# Altium PCB TIDA-010056.PcbDoc (part 2 of 3)
Units mm, origin at the board's own origin, x right, y up, seen from the top; angles counter-clockwise.
Board outline 69 x 70 mm, 4 copper layers (Top Layer, GND, PWR, Bottom Layer), stack 1.605 mm thick; 152 components, 93 nets, 418 pads, 601 vias.
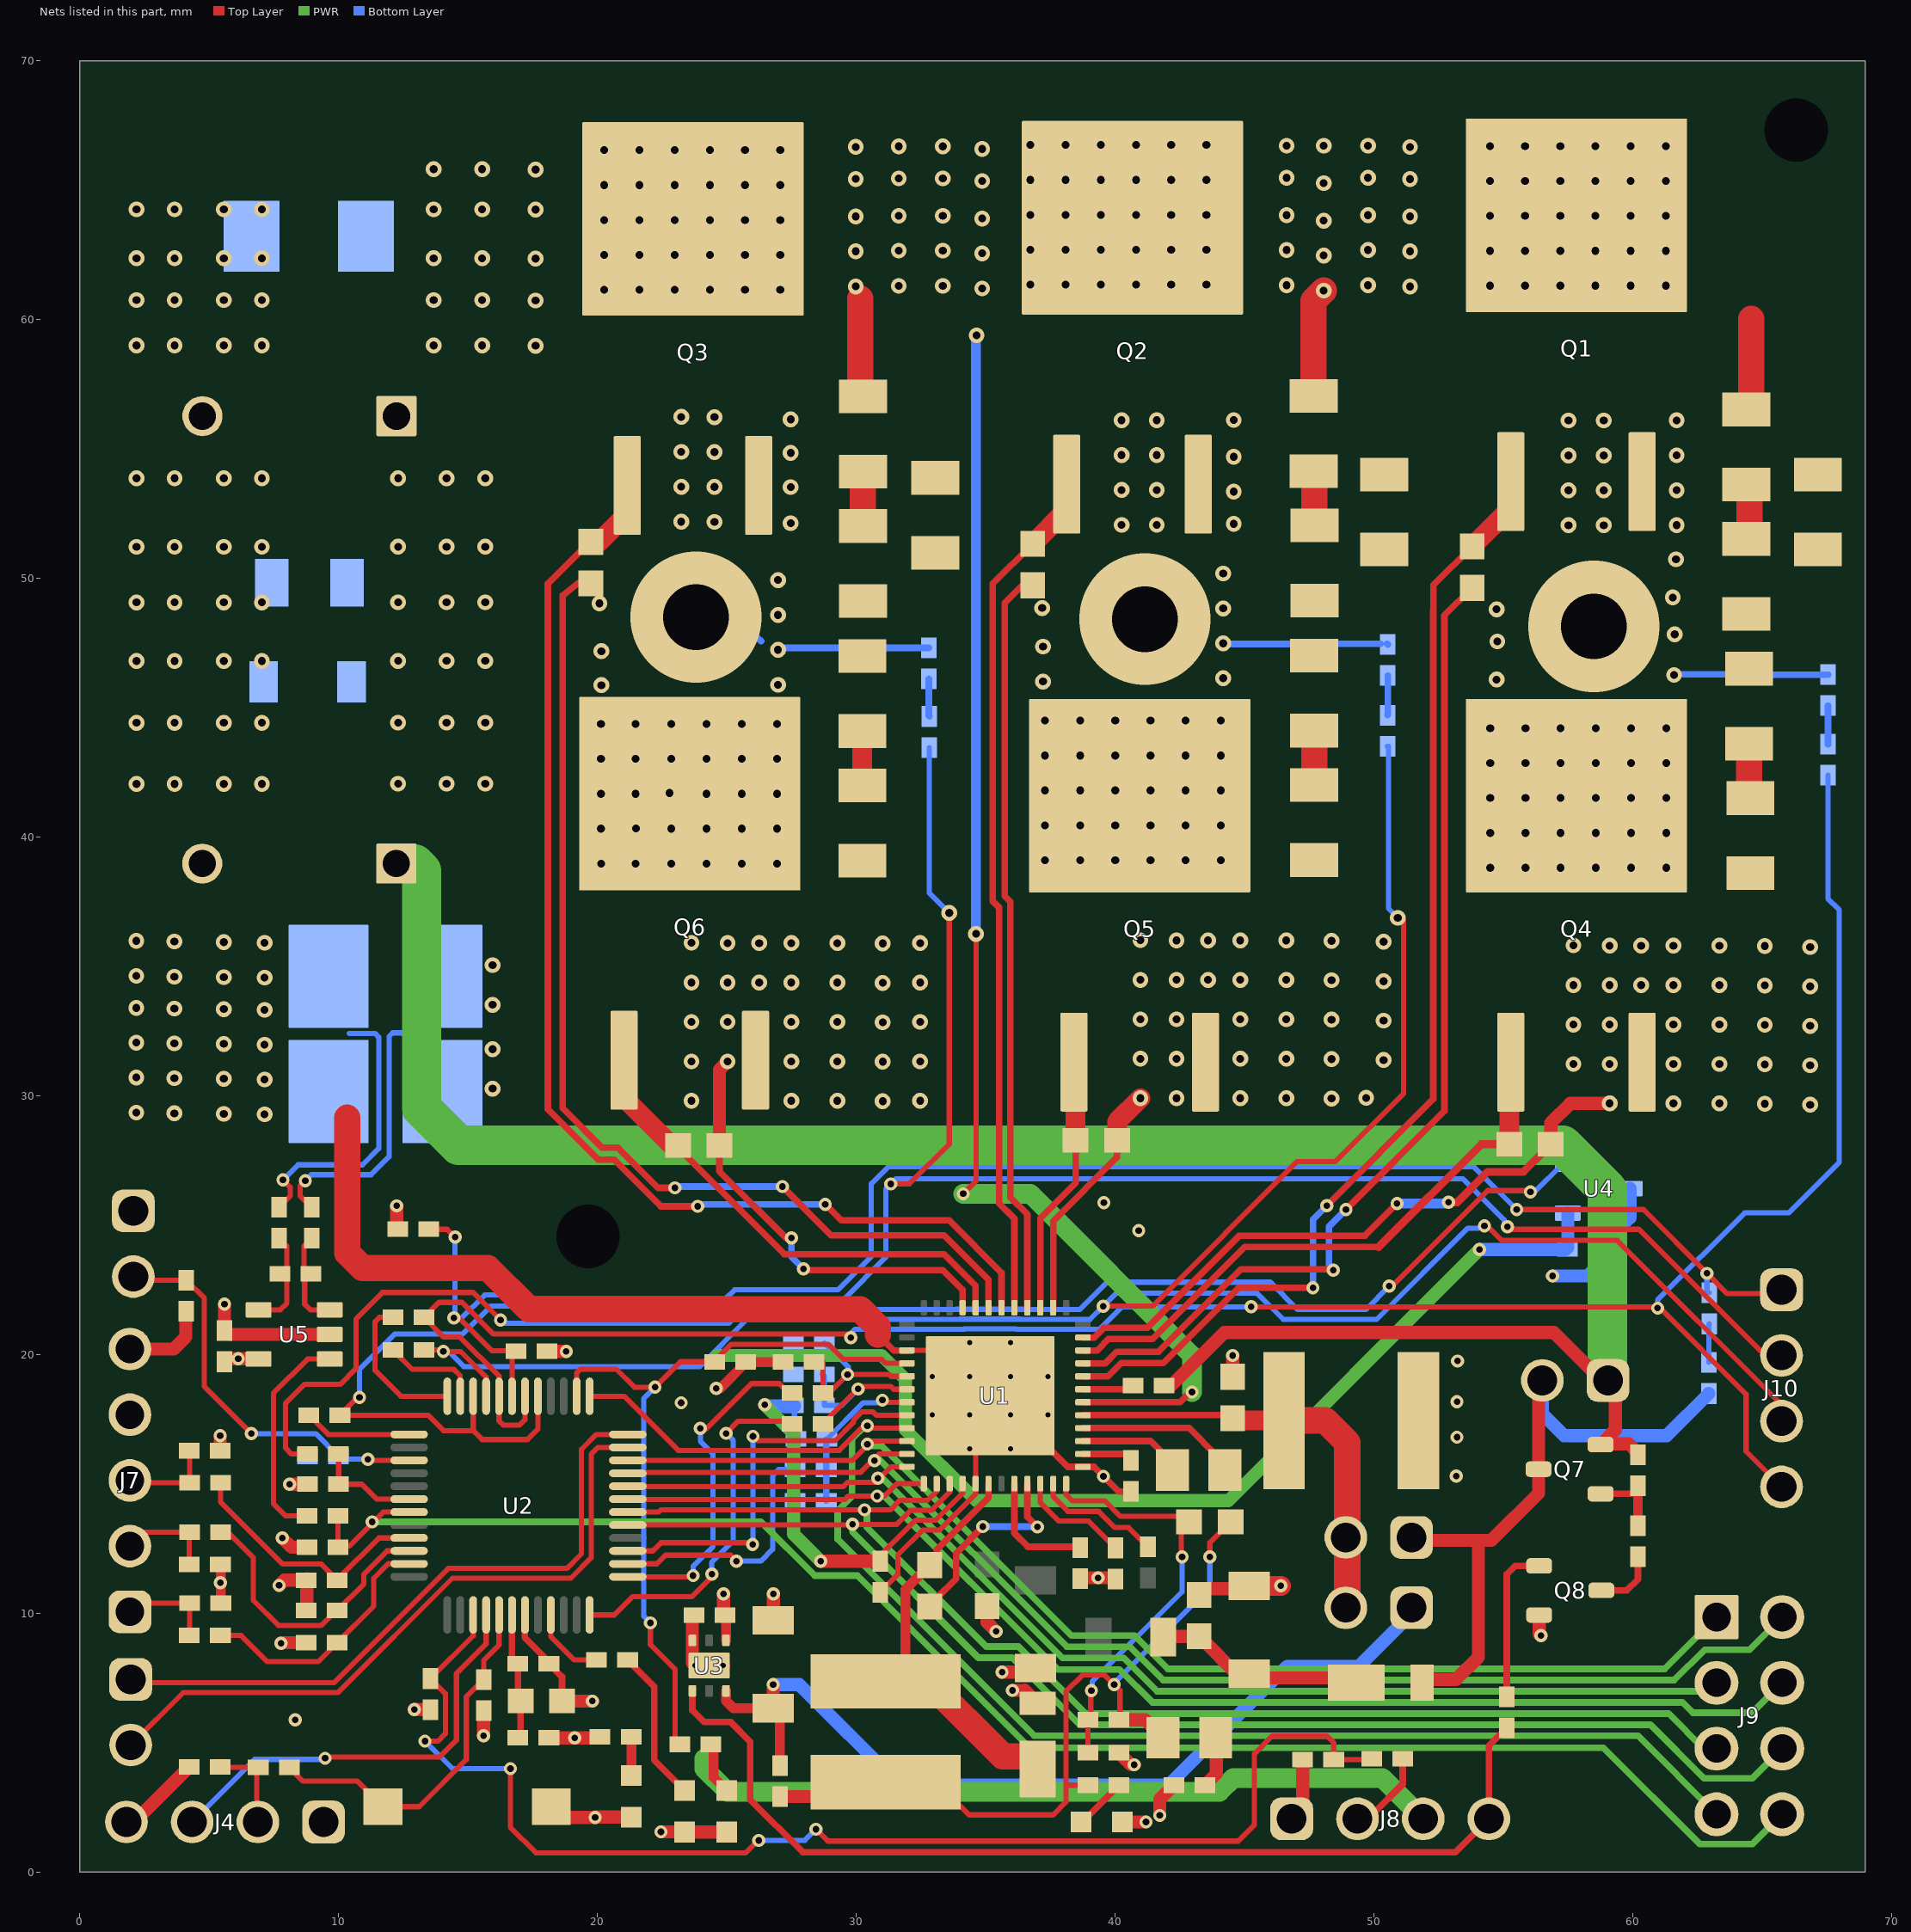
[diagram p4: the nets of this part, all layers, seen from the top]

## Part data (continued)
S1: library part CMP-0002196-1, "Switch, Tactile, SPST, 12 V, SMD", CurrentRating_mA=50A, Manufacturer="Wurth Elektronik", Supplier Part Number 1=31T8978, Circuit=SPST, ComponentLink1Description="Datasheet URL", ComponentLink1URL=http://katalog.we-online.de/em/datasheet/434121025816.pdf, CompType=Switch, LatestRevisionDate=2017-03-09, MountType=SMT, Orientation="Top Actuated", PackageReference="SMD, 6x3.9mm", PartNumber=434121025816, PositionCount=1, Publisher="Texas Instruments", RoHS=Y, Supplier 1=Newark, Supplier 2=Farnell, Supplier Part Number 2=1867991, SwitchFunction=Off-On, VDC_V=12V
U1: library part CMP-0013784-3, "100-V Three-Phase Smart Gate Driver With Buck Regulator, RGZ0048L (VQFN-48)", Alternate Manufacturer="Texas Instruments", Alternate PartNumber=DRV8350RHRGZT, Operating Temperature Range="-40 to 125 C", Rating=Catalog, AEC Category=Q200, AEC Qualified=N, ComponentLink1Description="Datasheet Link", ComponentLink1URL=http://www.ti.com/lit/ds/symlink/drv8350r.pdf, ComponentLink2Description="Product Folder", ComponentLink2URL=http://www.ti.com/product/drv8350r, ComponentLink3Description="Online Datasheet", ComponentLink3URL=http://www.ti.com/product/drv8350r/datasheet, CompType=IC, Manufacturer="Texas Instruments", MountType=SMT, PackageDescription=VQFN-48, PackageReference=RGZ0048L, PartNumber=DRV8350RHRGZR, RoHS=Y, SizeArea_mm2=49, SizeAreaWB_mm2=81, SizeX_mm=7, SizeY_mm=7, SizeZ_mm=1
U2: library part CMP-0013603-2, "Mixed-Signal Microcontroller, PT0048A (LQFP-48)", Alternate Manufacturer="Texas Instruments", ComponentLink1Description="Datasheet Link", ComponentLink1URL=https://sps06.itg.ti.com/sites/KMS/crossdivteams/altium/docs/ComponentDatasheets/SLASEC4_MSP430FR2355.int.1.0.pdf, CompType=IC, LatestRevisionDate=2017-03-09, Manufacturer="Texas Instruments", MountType=SMT, PackageDescription=LQFP-48, PackageReference=PT0048A, PartNumber=MSP430FR2355TPTR, Publisher="Texas Instruments", SizeArea_mm2=81, SizeAreaWB_mm2=121, SizeX_mm=9, SizeY_mm=9, SizeZ_mm=1.6, U/M=EA
U3: library part CMP-0066782-1, "150-mA, 30-V, Ultra-Low IQ, Wide Input Low-Dropout Regulator with Reverse Current Protection, DRV0006A (WSON-6)", Alternate Manufacturer="Texas Instruments", Alternate PartNumber=TPS70933DRVT, ComponentLink1Description="Datasheet Link", ComponentLink1URL=http://www.ti.com/lit/ds/symlink/tps709.pdf, CompType=IC, Footprint Path 6=C:\AltiumLibraries\Footprints\TI\.PcbLib, Green_EU RoHS=Passed, Green_EU RoHS-2=Passed, Green_Lifecycle=Active, Green_REACh=Passed, LatestRevisionDate=2017-06-09, Manufacturer="Texas Instruments", MountType=SMT, PackageDescription=WSON-6, PackageReference=DRV0006A, PartNumber=TPS70933DRVR, Publisher="Texas Instruments", RoHS=Y, SizeArea_mm2=4.0, SizeAreaWB_mm2=9.0, SizeX_mm=2.0, SizeY_mm=2.0, SizeZ_mm=0.8, U/M=EA
U4: library part CMP-0013240-1, "TMP235A4DBZR, DBZ0003A (SOP-3)", Alternate Manufacturer="Texas Instruments", ComponentLink1Description="Datasheet Link", ComponentLink1URL="https://sps06.itg.ti.com/sites/KMS/crossdivteams/altium/docs/ComponentDatasheets/TMP235DBZ MECH DRAWING.docx", CompType=IC, Footprint Path 6=C:\AltiumLibraries\Footprints\TI\.PcbLib, LatestRevisionDate=2017-03-09, Manufacturer="Texas Instruments", MountType=SMT, PackageDescription=SOP-3, PackageReference=DBZ0003A, PartNumber=TMP235A4DBZR, Publisher="Texas Instruments", SizeArea_mm2=7.5, SizeAreaWB_mm2=14, SizeX_mm=2.5, SizeY_mm=3, SizeZ_mm=1.12, U/M=EA
U5: library part CMP-0013061-1, "Low- and High-Side Measurement, Multichannel, Voltage Output, Current-Sense Amplifier, DBV0005A (SOT-5)", Alternate Manufacturer="Texas Instruments", PartNumber=INA180A3IDBVR, ComponentLink1Description="Datasheet Link", ComponentLink1URL=https://sps06.itg.ti.com/sites/KMS/crossdivteams/altium/docs/ComponentDatasheets/INA180.pdf, CompType=IC, Footprint Path 6=C:\AltiumLibraries\Footprints\TI\.PcbLib, LatestRevisionDate=2017-03-09, Manufacturer="Texas Instruments", MountType=SMT, PackageDescription=SOT-5, PackageReference=DBV0005A, Publisher="Texas Instruments", SizeArea_mm2=8.12, SizeAreaWB_mm2=14.82, SizeX_mm=2.8, SizeY_mm=2.9, SizeZ_mm=1.45, U/M=EA
ZZ1: library part AssemblyNoteLabel, Alternate Manufacturer=-, Alternate PartNumber=-, ClassName=AssemblyNote, CompType=AssemblyNote, LatestRevisionDate=2012-07-31, LatestRevisionNote="Initial Version", Publisher="Texas Instruments", SymbolCreator=a0412235, SymbolVersion=2012-06-14
ZZ2 ZZ3 ZZ4: library part AssemblyNote, Alternate Manufacturer=-, Alternate PartNumber=-, ClassName=AssemblyNote, CompType=AssemblyNote, LatestRevisionDate=2012-06-14, LatestRevisionNote="Initial Version", Publisher="Texas Instruments", SymbolCreator=codlsc, SymbolVersion=2010-05-18

## Via types
v1: diameter 0.61, hole 0.305, Top Layer to Bottom Layer, 476 vias
v2: diameter 0.508, hole 0.254, Top Layer to Bottom Layer, tented both sides, 108 vias
v3: diameter 0.5, hole 0.2, Top Layer to Bottom Layer, 14 vias
v4: diameter 5.08, hole 2.54, Top Layer to Bottom Layer, 3 vias

## Nets (pads, with @x,y where several pads share a name; then routed paths per layer and width w, separated by ;. In a path a pad name is that pad's centre, name@x,y a point inside that pad or via, vN(x,y) a via of type N, cw(c..) or ccw(c..) an arc to the next point about the centre after c; other vN are vias at no path point)
3.3V: C19.2 C37.1 C45.1 D5.2 D6.2 J4.4 J7.5 J8.3 R7.2 R50.1 R51.2 R53.2 R54.2 R55.2 R56.2 R59.2 R66.2 U3.1 U4.1 U5.5 | length 89.9
  Top Layer w0.203: U5.5@6.895,19.837 U5.5@6.905,19.827
  Top Layer w0.381: R56.2@5.446,10.384 R55.2@5.446,11.603 ; D6.2@23.368,1.549 D6.2@23.375,1.542 ; v2(24.587,18.694) 24.748,18.694 R66.2@25.764,19.71 ; U3.1@24.969,8.949 C37.1@24.969,9.651 ; R66.2@25.734,19.71 R66.2@25.764,19.71 ; R7.2@27.175,19.72 27.165,19.71 R66.2@25.764,19.71
  Top Layer w0.508: J4.4@1.799,1.93 2.092,1.93 R51.2@4.226,4.064 ; J7.5@1.934,20.214 3.627,20.214 4.089,20.676 R53.2@4.089,21.625 ; R54.2@5.42,16.281 v2(5.42,16.86) ; C19.2@5.563,19.837 U5.5@6.895,19.837 ; R50.1@18.126,5.188 18.132,5.182 v2(19.126,5.182) 20.059,5.182 R59.2@20.101,5.224 ; v2(22.454,1.549) D6.2@23.368,1.549 ; D6.2@23.375,1.542 D5.2@25.001,1.542 ; C37.1@24.869,10.007 v2(24.869,10.748)
  PWR w0.508: 24.613,19.964 30.988,19.964 31.902,19.05 31.902,17.094 34.646,14.351 44.382,14.351 v2(54.085,24.054)
  PWR w0.762: 24.13,4.381 24.13,3.997 25.028,3.099 44.044,3.099 44.577,3.632 50.332,3.632 J8.3@51.911,2.053
  Bottom Layer w0.508: v2(54.085,24.054) 57.362,24.054 57.387,24.079 57.41,24.056 57.499,24.146 U4.1@57.499,25.466
  other v2: 5.43,11.181 6.121,19.837
15V: C38.1 J2.1 R28.2 U3.6 | length 34.8
  Top Layer w0.381: U3.6@24.969,6.999 24.969,6.612 25.255,6.326 C38.1@26.797,6.326 27.051,6.072 R28.2@27.051,4.114
  Top Layer w0.508: v2(26.792,7.239) 26.792,6.331 C38.1@26.797,6.326
  Bottom Layer w0.508: v2(26.792,7.239) 27.806,7.239 31.692,3.353 42.06,3.353 46.657,7.95 49.428,7.95 51.46,9.982 J2.1@51.46,10.211
BEMF_A: J10.4 R40.1 R46.2 U2.30 U2.32 | length 90.3
  Top Layer w0.203: U2.30@17.2,18.385 17.2,17.479 16.993,17.272 16.358,17.272 16.2,17.43 U2.32@16.2,18.385 16.2,19.167 14.691,20.676 14.062,20.676 R46.2@13.3,21.437 13.877,22.014 14.762,22.014 15.986,20.789 29.655,20.789 v2(29.794,20.65) ; v2(45.263,21.844) 61.011,21.844 64.389,18.466 64.389,16.256 J10.4@65.761,14.884
  Bottom Layer w0.203: v2(29.794,20.65) 29.794,20.811 29.959,20.977 34.162,20.977 34.172,20.986 36.18,20.986 36.19,20.977 39.417,20.977 40.284,21.844 v2(45.263,21.844) ; v2(60.972,21.793) 60.972,22.11 64.338,25.476 66.04,25.476 67.982,27.418 67.982,37.198 67.555,37.625 R40.1@67.555,42.39
BEMF_AL: R46.1 U2.36 | length 5.9
  Top Layer w0.203: R46.1@12.1,21.437 11.577,21.437 11.405,21.265 11.405,19.387 12.407,18.385 U2.36@14.2,18.385
BEMF_B: J10.3 R41.1 R45.2 U2.33 | length 90.6
  Top Layer w0.203: R45.2@13.3,20.177 14.189,20.177 v2@14.129,20.117 ; v2(14.046,20.117) v2@14.129,20.117 ; U2.33@15.7,18.385 15.7,19.128 14.711,20.117 v2@14.129,20.117 ; v2(39.548,21.869) 41.453,21.869 47.041,27.457 48.525,27.457 51.156,30.088 v1@51.156,36.754 ; v2(54.28,24.968) 54.389,24.968 54.948,24.409 59.411,24.409 65.761,18.059 J10.3@65.761,17.424
  Bottom Layer w0.203: v2(14.046,20.117) 14.249,20.117 14.834,19.533 23.952,19.533 25.777,21.358 34.005,21.358 34.014,21.367 36.338,21.367 36.348,21.358 39.036,21.358 v2(39.548,21.869) 40.056,22.377 45.484,22.377 46.503,21.358 50.11,21.358 53.634,24.882 54.04,24.882 ; R41.1@50.532,43.513 50.568,43.513 50.568,37.245 v1(50.932,36.881)
BEMF_BL: R45.1 U2.35 | length 3.9
  Top Layer w0.203: R45.1@12.1,20.177 12.85,19.428 14.453,19.428 14.7,19.181 U2.35@14.7,18.385 ; R45.1@12.151,20.38 R45.1@12.227,20.304
BEMF_C: J10.2 R42.1 R44.2 U2.29 U2.34 | length 94.1
  Top Layer w0.203: v2(10.805,18.339) 10.731,18.339 R44.2@10.049,17.657 13.453,17.657 14.051,17.058 15.2,17.058 ; U2.34@15.2,18.385 15.2,17.058 ; U2.29@17.7,18.385 17.7,17.116 17.297,16.713 15.545,16.713 15.2,17.058 ; v2(31.337,26.594) 32.055,26.594 33.598,28.137 v1(33.598,37.072) ; v2(55.169,24.943) 55.27,24.841 60.249,24.841 65.126,19.964 J10.2@65.761,19.964
  Bottom Layer w0.203: v2(10.805,18.339) 10.805,19.428 12.164,20.787 14.793,20.787 15.875,21.869 17.042,21.869 17.143,21.768 17.145,21.768 17.323,21.59 24.926,21.59 25.456,22.12 29.502,22.12 31.14,23.758 31.14,26.398 v2(31.337,26.594) 31.54,26.797 53.445,26.797 55.037,25.206 v2@55.037,24.963 ; R42.1@32.828,43.465 32.828,37.842 v1(33.598,37.072)
BEMF_CL: R44.1 U2.37 | length 4.2
  Top Layer w0.203: R44.1@8.849,17.657 9.596,16.91 U2.37@12.725,16.91
DC_FB: C33.1 J10.1 R39.1 R47.2 U2.31 | length 67.5
  Top Layer w0.203: R47.2@13.478,24.841 14.195,24.841 v2(14.499,24.536) ; v2(14.453,21.412) 14.656,21.412 15.926,20.142 C33.1@16.704,20.142 ; U2.31@16.7,18.385 16.7,20.138 C33.1@16.704,20.142 ; C33.1@16.856,20.122 16.836,20.142 C33.1@16.704,20.142 ; v2(55.524,25.603) 60.427,25.603 v2@62.884,23.146 ; v2(62.877,23.139) 63.665,22.352 65.608,22.352 J10.1@65.761,22.504
  Bottom Layer w0.203: v2(14.453,21.412) 14.757,21.412 15.646,22.301 17.149,22.301 17.301,22.149 24.946,22.149 25.298,22.501 29.297,22.501 30.582,23.785 30.582,26.603 31.233,27.254 53.873,27.254 v2(55.524,25.603) ; v2@14.47,21.43 14.499,21.459 v2(14.499,24.536) ; v2(62.877,23.139) 62.877,22.473 R39.1@62.967,22.384 ; J10.1@65.64,22.384 J10.1@65.761,22.504
DIR: C39.1 J6.2 R53.1 U2.39 | length 15.8
  Top Layer w0.203: J6.2@1.934,23.012 2.071,22.876 R53.1@4.108,22.876 ; R53.1@4.124,22.86 R53.1@4.108,22.876 ; v2(6.629,16.942) 4.809,18.763 4.809,22.175 R53.1@4.108,22.876 ; v2(11.125,15.951) 11.167,15.91 U2.39@12.725,15.91
  Bottom Layer w0.203: v2(6.629,16.942) 9.111,16.942 C39.1@9.998,16.055 10.102,15.951 v2(11.125,15.951)
DVDD: C9.1 R5.1 R8.1 U1.40 | length 16.1
  Top Layer w0.203: C9.1@30.928,12.01 30.928,12.227 32.304,13.603 33.073,13.603 34.114,14.644 U1.40@34.114,15.007
  Top Layer w0.508: v2(28.626,12.014) 28.63,12.01 C9.1@30.928,12.01
  PWR w0.508: v2@26.568,17.958 27.584,16.942 27.584,13.056 v2(28.626,12.014)
  Bottom Layer w0.203: R8.1@27.616,16.913 R5.1@27.616,17.994
  Bottom Layer w0.508: v2(26.467,18.059) 26.518,18.009 R5.1@27.619,18.009
ENABLE_GD: J9.7 U1.33 U2.25 | length 56.9
  Top Layer w0.203: U2.25@19.7,18.385 21.031,18.385 23.125,16.291 29.347,16.291 v2@30.43,17.374 ; v2(30.43,17.247) 30.52,17.157 U1.33@31.964,17.157
  PWR w0.254: v2(30.43,17.247) 30.35,17.247 29.845,16.741 29.845,14.529 29.286,13.97 29.286,12.852 36.881,5.258 60.218,5.258 J9.7@63.246,2.23
FAULT: R64.1 R66.1 U1.28 U2.26 | length 29.7
  Top Layer w0.203: U2.26@19.2,18.385 19.2,19.293 19.343,19.436 20.726,19.436 21.425,18.738 v2(22.225,18.738) 23.204,19.716 23.204,19.72 24.495,19.72 25.171,20.396 28.921,20.396 29.505,19.812 30.988,19.812 31.143,19.657 U1.28@31.964,19.657 ; v2(22.047,9.627) 22.047,8.788 23.006,7.829 23.006,4.931 R64.1@23.183,4.931
  Bottom Layer w0.203: v2(22.047,9.627) 21.793,9.881 21.793,18.306 v2(22.225,18.738)
GHA: C20.1 Q1.1 U1.8 | length 44.6
  Top Layer w0.254: U1.8@38.764,19.157 39.731,19.157 40.247,19.673 41.873,19.673 44.78,22.581 v2(47.65,22.581) ; v2(48.184,25.756) 52.299,29.87 52.299,48.744 52.31,48.755 52.31,49.744 C20.1@53.798,51.232
  Top Layer w0.762: C20.1@53.798,51.232 55.294,52.729 Q1.1@55.294,53.74
  Bottom Layer w0.254: v2(47.65,22.581) 47.65,25.222 v2(48.184,25.756)
GHB: C22.1 Q2.1 U1.17 | length 33.4
  Top Layer w0.254: U1.17@36.114,21.807 36.114,25.258 35.529,25.842 35.529,37.278 35.281,37.527 35.281,49.798 C22.1@36.816,51.334 ; Q2.1@37.923,53.569 Q2.1@37.956,53.536
  Top Layer w0.762: C22.1@36.816,51.334 38.137,52.654 Q2.1@38.137,53.641
GHC: C46.1 Q3.1 U1.18 | length 47.3
  Top Layer w0.254: C46.1@19.747,51.461 18.086,49.8 18.086,29.483 20.038,27.531 20.648,27.531 22.449,25.73 v2(23.876,25.73) ; v2(28.804,25.806) 29.426,25.184 33.592,25.184 35.614,23.161 U1.18@35.614,21.807
  Top Layer w0.762: C46.1@19.747,51.41 20.065,51.41 21.152,52.497 Q3.1@21.152,53.596 Q3.1@21.152,53.716
  Bottom Layer w0.254: v2(23.876,25.73) 23.967,25.821 23.982,25.806 v2(28.804,25.806)
GLA: C48.1 Q4.1 U1.10 | length 23
  Top Layer w0.254: U1.10@38.764,20.157 39.308,20.157 39.751,20.599 41.453,20.599 45.009,24.155 50.19,24.155
  Top Layer w0.305: 50.19,24.155 54.166,28.131 C48.1@55.244,28.131
  Top Layer w0.762: C48.1@55.244,28.131 55.244,31.253 Q4.1@55.293,31.302
GLB: C49.1 Q5.1 U1.15 | length 10.1
  Top Layer w0.254: U1.15@37.114,21.807 37.114,25.27 38.48,26.635 C49.1@38.48,28.283
  Top Layer w0.762: Q5.1@38.416,31.302 38.48,31.238 C49.1@38.48,28.283
GLC: C47.1 Q6.1 U1.20 | length 19.2
  Top Layer w0.254: C47.1@22.797,28.092 C47.1@22.961,27.928 ; C47.1@23.113,28.08 23.113,27.99 27.226,23.876 33.401,23.876 34.614,22.663 U1.20@34.614,21.807
  Top Layer w0.762: Q6.1@20.938,30.016 20.938,30.014 22.871,28.08 C47.1@23.113,28.08 ; Q6.1@21.029,30.016 Q6.1@21.029,31.375
GND: C1.2 C2.2 C3.2 C4.2 C5.2 C6.2 C9.2 C19.1 C23.2 C27.2 C28.2 C29.2 C30.2 C31.2 C32.2 C33.2 C34.2 C35.2 C36.2 C37.2 C38.2 C39.2 C40.2 C41.2 C42.2 C43.2 C44.2 C45.2 D1.1 D2.2 D4.1 D7.1 J4.1 J6.1 J7.4 J8.1 Q8.2 R4.2 R6.1 R10.1 R24.1 R25.1 R27.1 R31.1 R33.1 R34.1 R47.1 R63.1 S1.1 U1.1 U1.27 U1.41 U1.49@35.176,18.407 U2.7 U3.3 U3.7 U4.3 U5.2 | length 106.4
  Top Layer w0.203: R27.1@7.699,25.695 8.128,26.124 8.128,26.467 v2(7.849,26.746) ; C9.2@30.928,10.81 31.606,11.488 31.606,12.251 32.576,13.222 33.231,13.222 34.614,14.605 U1.41@34.614,15.007 34.614,17.845 U1.49@35.176,18.407 33.426,20.157 U1.27@31.964,20.157
  Top Layer w0.254: U2.7@17.2,9.935 17.2,9.052 18.129,8.123 C35.2@18.129,8.049 ; C35.2@18.126,8.052 C35.2@18.129,8.049 ; C34.2@18.631,6.604 18.631,7.547 C35.2@18.129,8.049 ; 30.836,20.777 31.456,20.157 U1.27@31.964,20.157 ; U1.49@35.176,18.407 35.429,18.407 38.179,15.657 U1.1@38.764,15.657 39.191,15.657 40.144,14.704 C31.2@40.619,14.704
  Top Layer w0.508: C19.1@5.588,20.92 v2(5.588,21.946) ; C19.1@5.823,20.777 U5.2@9.655,20.777 ; v2(7.696,11.074) 7.899,11.278 C41.2@8.747,11.278 ; v2(7.772,8.839) 7.772,8.865 C43.2@8.747,8.865 ; v2(7.823,12.903) 8.179,12.548 C23.2@8.773,12.548 ; v2(8.103,14.986) C44.2@8.798,14.986 ; C42.2@8.747,10.109 8.773,10.135 C41.2@8.773,11.326 ; v2(12.243,25.748) 12.243,24.876 R47.1@12.278,24.841 ; v2(12.929,6.274) C40.2@13.546,6.274 ; v2(15.604,5.265) C36.2@15.604,6.238 ; C33.2@18.056,20.122 18.791,20.122 v2(18.796,20.117) ; S1.1@18.212,2.523 18.627,2.108 v2(19.914,2.108) 19.926,2.121 D7.1@21.311,2.121 ; C34.2@18.631,6.604 v2(19.802,6.604) ; C37.2@23.669,9.751 U3.3@23.669,8.949 23.669,8.074 v3(23.769,7.974) U3.7@24.319,7.974 v3(24.869,7.974) ; C38.2@26.797,9.726 v2(26.797,10.748) ; C30.2@35.103,10.24 C30.2@35.064,10.279 35.064,9.64 v2(35.408,9.296) ; v2(35.636,7.722) 36.777,7.722 C29.2@36.932,7.876 ; v2(36.043,7.017) 36.501,7.017 36.509,7.025 D2.2@37.013,6.521 ; 39.004,11.368 R33.1@39.779,11.368 ; R34.1@40.245,4.611 R34.1@40.153,4.611 40.623,4.14 v2(40.742,4.14) ; D4.1@40.284,1.93 v2(41.199,1.93) ; v2(41.732,2.184) 41.732,2.81 R31.1@42.275,3.353 ; C28.2@43.256,10.706 43.498,10.947 45.078,10.947 C27.2@45.191,11.061 ; C6.2@44.542,19.139 44.602,19.199 44.552,19.25 v2(44.552,19.964) ; J8.1@46.831,2.053 47.254,2.476 R63.1@47.254,4.343 ; Q8.2@56.395,9.931 56.395,9.201 v2(56.464,9.131)
  Top Layer w0.762: C27.2@45.191,11.061 v2(46.411,11.061)
  Top Layer w1.016: 10.338,29.159 10.338,23.927 10.922,23.343 15.769,23.343 17.357,21.754 30.151,21.754 30.836,21.069 30.836,20.777
  Bottom Layer w0.203: v2(7.849,26.746) 8.433,27.33 10.922,27.33 11.552,27.961 11.552,32.267 11.409,32.41 10.414,32.41
  Bottom Layer w0.508: v2(56.908,23.038) 58.268,23.038 58.69,23.46 C45.2@58.69,24.079 59.899,25.289 U4.3@59.899,26.416
  other v1: 7.137,29.283 5.561,29.301 3.654,29.321 2.181,29.35 7.137,30.63 5.561,30.659 3.654,30.679 2.181,30.709 7.137,31.975 5.561,32.006 3.654,32.026 2.181,32.055 7.137,33.325 5.561,33.351 3.654,33.371 2.181,33.4 7.137,34.567 5.561,34.584 3.654,34.604 2.181,34.633 7.137,35.913 5.561,35.943 3.654,35.963 2.181,35.992 2.187,42.057 3.658,42.057 5.564,42.057 7.034,42.057 2.187,44.419 3.658,44.419 5.564,44.419 7.034,44.419 2.187,46.807 3.658,46.807 5.564,46.807 7.034,46.807 2.187,49.073 3.658,49.073 5.564,49.073 7.034,49.073 2.187,51.219 3.658,51.219 5.564,51.219 7.034,51.219 2.187,53.868 3.658,53.868 5.564,53.868 7.034,53.868 2.187,59.004 3.658,59.004 5.564,59.004 7.034,59.004 2.187,60.757 3.658,60.757 5.564,60.757 7.034,60.757 2.187,62.375 3.658,62.375 5.564,62.375 7.034,62.375 2.187,64.267 3.658,64.267 5.564,64.267 7.034,64.267
  other v2: 8.321,5.874 39.349,11.367 39.553,15.291 53.192,15.304 53.218,16.803 23.234,18.135 53.218,18.175 53.243,19.749 40.919,24.79 39.573,25.871
  other v3: 34.391,16.357 35.961,16.357 32.938,17.667 34.391,17.667 35.961,17.667 37.414,17.667 32.938,19.147 34.391,19.147 35.961,19.147 37.414,19.147 34.391,20.457 35.961,20.457
HA: C43.1 R61.2 U2.47 | length 9.9
  Top Layer w0.203: R61.2@5.43,9.139 6.228,9.139 7.239,8.128 9.211,8.128 C43.1@9.947,8.865 11.354,10.271 11.354,11.352 11.911,11.91 U2.47@12.725,11.91
HB: C42.1 R58.2 U2.46 | length 11.4
  Top Layer w0.203: R58.2@5.44,13.126 5.724,13.126 6.706,12.145 6.706,10.49 7.666,9.53 9.333,9.53 C42.1@9.832,10.029 ; C42.1@9.832,10.008 C42.1@9.832,10.029 ; C42.1@9.852,10.144 9.852,10.16 9.832,10.179 C42.1@9.832,10.029 ; U2.46@12.725,12.41 11.872,12.41 10.973,11.51 10.973,11.135 C42.1@9.947,10.109 9.912,10.109 C42.1@9.832,10.029
HC: C41.1 R57.2 U2.45 | length 9.9
  Top Layer w0.203: R57.2@5.435,15.037 5.435,14.3 7.83,11.906 9.319,11.906 C41.1@9.947,11.278 ; C41.1@9.973,11.326 11.556,12.91 U2.45@12.725,12.91
IA_IDC: C23.1 J9.8 R23.2 U2.43 | length 64.7
  Top Layer w0.203: R23.2@9.973,13.767 C23.1@9.973,12.548 10.023,12.598 10.414,12.598 11.725,13.91 U2.43@12.725,13.91
  PWR w0.254: v2(11.292,13.53) 26.319,13.53 28.394,11.455 30.047,11.455 36.702,4.801 58.877,4.801 62.603,1.075 64.631,1.075 J9.8@65.786,2.23
INH_A: J9.1 U1.34 U2.22 | length 48.1
  Top Layer w0.203: U2.22@21.175,15.91 29.854,15.91 v2@30.455,16.51 ; v2@30.601,16.657 U1.34@31.964,16.657
  PWR w0.254: v2(30.429,16.535) 30.505,16.459 30.994,16.459 38.322,9.131 40.754,9.131 42.037,7.849 61.245,7.849 J9.1@63.246,9.85
INH_B: J9.3 U1.36 U2.20 | length 48
  Top Layer w0.203: U2.20@20.659,14.889 29.494,14.889 29.667,15.062 30.735,15.062 31.329,15.657 U1.36@31.964,15.657
  PWR w0.254: v2(30.836,15.215) 31.017,15.215 37.964,8.268 40.345,8.268 41.627,6.985 62.597,6.985 63.048,7.437 63.048,7.112 J9.3@63.246,7.31
INH_C: J9.5 U1.38 U2.18 | length 49.6
  Top Layer w0.203: U2.18@21.175,13.91 22.368,13.91 22.454,13.995 v2(30.328,13.995) 31.318,13.995 31.687,14.365 32.758,14.365 33.114,14.721 U1.38@33.114,15.007
  PWR w0.254: v2(30.328,13.995) 30.413,13.91 30.413,13.326 35.027,8.712 36.271,8.712 38.862,6.121 61.392,6.121 62.744,4.77 J9.5@63.246,4.77
INL_A: J9.2 U1.35 U2.21 | length 50.8
  Top Layer w0.203: U2.21@21.088,15.458 U2.21@21.175,15.458 ; U2.21@21.175,15.41 21.208,15.443 30.175,15.443 30.889,16.157 U1.35@31.964,16.157
  PWR w0.254: v2@30.683,15.951 30.891,15.951 38.143,8.7 40.575,8.7 41.858,7.417 61.62,7.417 62.789,8.585 64.522,8.585 J9.2@65.786,9.85
  other v2: 30.709,15.9
INL_B: J9.4 U1.37 U2.19 | length 51.1
  Top Layer w0.203: U2.19@20.659,14.389 29.555,14.389 29.694,14.529 v2(30.81,14.529) 31.097,14.529 31.575,15.007 U1.37@32.614,15.007
  PWR w0.254: v2(30.81,14.529) 31.093,14.529 37.798,7.823 40.179,7.823 41.449,6.553 61.925,6.553 62.324,6.155 64.631,6.155 J9.4@65.786,7.31
INL_C: J9.6 U1.39 U2.17 | length 53.9
  Top Layer w0.203: U2.17@21.175,13.41 29.827,13.41 v2(29.854,13.437) 31.572,13.437 32.119,13.984 32.915,13.984 33.614,14.682 U1.39@33.614,15.007
  PWR w0.254: v2(29.854,13.437) 29.854,13.144 34.718,8.28 36.043,8.28 38.634,5.69 60.693,5.69 62.768,3.615 64.631,3.615 J9.6@65.786,4.77
LED: R65.1 U2.9 | length 3
  Top Layer w0.203: U2.9@18.2,9.935 18.2,9.105 19.114,8.191 R65.1@19.967,8.191
NetC5_1: C5.1 C6.1 J1.2 J2.2 U1.5 | length 17.1
  Top Layer w0.254: U1.5@38.764,17.657 44.223,17.657 C6.1@44.328,17.552
  Top Layer w0.508: C6.1@44.328,17.552 C6.1@44.602,17.552
  Top Layer w0.762: C6.1@44.602,17.552 44.703,17.452 C5.1@46.528,17.452
  Top Layer w1.016: C5.1@46.528,17.452 48.126,17.452 48.976,16.602 48.976,10.266 J2.2@48.92,10.211
NetC7_1: C7.1 U1.7 | length 2
  Top Layer w0.203: C7.1@40.561,18.657 C7.1@40.7,18.796
  Top Layer w0.254: U1.7@38.764,18.657 C7.1@40.561,18.657
NetC8_1: C8.1 U1.3 | length 4.1
  Top Layer w0.254: U1.3@38.764,16.657 41.368,16.657 42.22,15.805 C8.1@42.22,15.533
NetC8_2: C8.2 U1.4 | length 5.8
  Top Layer w0.254: U1.4@38.764,17.157 42.863,17.157 43.934,16.086 C8.2@43.934,15.851
NetC13_1: C13.1 R1.1 | length 2.1
  Top Layer w1.016: R1.1@64.326,53.585 R1.1@64.383,53.643 ; C13.1@64.529,51.539 R1.1@64.529,53.585
NetC14_1: C14.1 R2.1 | length 2.1
  Top Layer w1.016: R2.1@47.679,54.151 47.713,54.117 C14.1@47.713,52.047
NetC15_1: C15.1 R3.1 | length 2.1
  Top Layer w1.016: C15.1@30.263,52.028 R3.1@30.263,54.132
NetC16_2: C16.2 R14.2 | length 2.1
  Top Layer w1.016: R14.2@64.307,41.557 R14.2@64.358,41.506 ; R14.2@64.51,41.557 C16.2@64.51,43.61
NetC17_2: C17.2 R15.2 | length 2.1
  Top Layer w1.016: R15.2@47.699,42.014 C17.2@47.699,44.118
NetC18_2: C18.2 R16.2 | length 2.1
  Top Layer w0.762: R16.2@30.237,41.995 C18.2@30.237,44.099
NetC21_1: C21.1 R22.2 U5.3 | length 3.9
  Top Layer w0.203: R22.2@8.966,24.495 8.661,24.19 8.661,23.384 C21.1@8.931,23.114 8.687,22.87 8.687,21.946 8.905,21.727 U5.3@9.655,21.727
NetC21_2: C21.2 R27.2 U5.4 | length 4.1
  Top Layer w0.203: U5.4@6.905,21.727 7.741,21.727 8.001,21.987 8.001,22.946 C21.2@7.782,23.165 ; R27.2@7.699,24.495 7.997,24.197 7.997,23.38 C21.2@7.782,23.165 ; C21.2@7.731,23.114 C21.2@7.782,23.165 ; C21.2@7.747,23.2 C21.2@7.782,23.165
NetC24_1: C24.1 U1.45 | length 7.4
  Top Layer w0.254: C24.1@33.133,10.606 33.858,11.331 33.858,12.312 v2(34.895,13.349) ; U1.45@36.614,15.007 36.614,13.729 v2(37.008,13.335)
  Bottom Layer w0.254: v2(34.895,13.349) 36.994,13.349 v2(37.008,13.335)
NetC24_2: C24.2 D2.1 L1.1 U1.42 | length 16.1
  Top Layer w0.254: L1.1@31.394,7.335 31.425,7.366 L1.1@31.895,7.835 ; C24.2@33.111,12.126 33.111,12.458 35.114,14.461 U1.42@35.114,15.007
  Top Layer w0.381: L1.1@31.895,7.835 31.895,10.91 C24.2@32.842,11.861
  Top Layer w0.762: L1.1@31.14,7.366 31.425,7.366 L1.1@32.766,7.366
  Top Layer w1.016: L1.1@32.766,7.366 35.662,4.47 36.513,4.47 D2.1@37.013,3.971
NetC25_1: C25.1 C26.1 L1.2 R28.1 R29.2 R30.2 | length 28.2
  Top Layer w0.203: L1.2@32.931,3.277 33.299,3.277 34.369,2.207 37.615,2.207 38.105,2.697 38.105,3.353 ; R30.2@38.953,3.353 38.105,3.353 ; R29.2@40.194,6.04 40.194,7.017 v2(39.972,7.24) 39.599,7.612 38.744,7.612 38.105,6.973 38.105,3.353 ; v2(43.667,12.18) 43.667,12.73 C25.1@44.467,13.53
  Top Layer w0.508: R28.1@27.051,2.914 L1.2@30.589,2.914 ; R29.2@40.152,5.881 41.17,5.881 C26.1@41.859,5.191
  Bottom Layer w0.203: v2@39.9,7.23 43.667,10.998 v2(43.667,12.18)
NetC25_2: C25.2 R29.1 R34.2 U1.48 | length 15.6
  Top Layer w0.203: U1.48@38.114,15.007 38.114,14.584 38.352,14.346 39.606,14.346 40.201,13.75 42.647,13.75 42.602,13.633 42.558,13.52 42.558,12.465 ; R34.2@38.953,4.611 R29.1@38.952,5.881 ; R34.2@38.978,4.711 R34.2@38.994,4.728 ; R29.1@38.994,6.04 39.065,6.11 v2@39.065,6.821
  Bottom Layer w0.203: v2@39.065,6.821 39.121,6.877 39.121,7.354 42.596,10.829 v2(42.596,12.18) v2@42.596,12.268
  other v2: 39.091,7.01
NetC26_2: C26.2 R31.2 | length 2.2
  Top Layer w0.508: R31.2@43.475,3.353 43.917,3.794 C26.2@43.917,5.41
NetC27_1: C27.1 C28.1 D3.1 L2.1 | length 8.3
  Top Layer w0.508: L2.1@41.778,9.106 C28.1@43.256,9.106 44.862,7.5 49.143,7.5 D3.1@49.322,7.321
NetC31_1: C31.1 U1.2 | length 2
  Top Layer w0.254: U1.2@38.764,16.157 40.367,16.157 C31.1@40.619,15.904
NetC34_1: C34.1 C35.1 R50.2 U2.6 | length 4.9
  Top Layer w0.254: U2.6@16.7,9.935 16.7,8.278 C35.1@16.926,8.052 16.926,6.709 C34.1@17.031,6.604 17.031,5.293 R50.2@16.926,5.188
NetD4_2: D4.2 R30.1 | length 2.1
  Top Layer w0.254: D4.2@38.684,1.93 38.73,1.93 R30.1@40.153,3.353
NetD5_1: D5.1 R64.2 | length 2
  Top Layer w0.203: D5.1@24.925,3.218 D5.1@25.001,3.142
  Top Layer w0.381: R64.2@24.496,4.931 24.496,3.647 D5.1@24.925,3.218
NetD6_1: D6.1 R65.2 | length 6
  Top Layer w0.254: R65.2@21.167,8.191 22.2,7.158 22.2,4.318 D6.1@23.375,3.142
  Top Layer w0.381: D6.1@23.375,3.067 D6.1@23.375,3.142
NetD7_2: D7.2 R59.1 | length 1.5
  Top Layer w0.381: R59.1@21.301,5.224 21.311,5.214 D7.2@21.311,3.721
NetJ4_2: J4.2 R51.1 R52.1 | length 3.5
  Top Layer w0.203: R51.1@5.426,4.064 5.451,4.039 R52.1@6.893,4.039 6.833,3.978 J4.2@6.833,2.007
NetJ7_1: J7.1 R56.1 R61.1 | length 3.8
  Top Layer w0.203: J7.1@1.934,10.054 J7.1@2.493,10.612 ; J7.1@2.519,10.384 R56.1@4.246,10.384 4.246,9.155 R61.1@4.23,9.139
NetJ7_2: J7.2 R55.1 R58.1 | length 3.8
  Top Layer w0.203: J7.2@1.934,12.594 2.467,13.126 R58.1@4.24,13.126 4.23,13.117 R55.1@4.23,11.887
NetJ7_3: J7.3 R54.1 R57.1 | length 3.6
  Top Layer w0.203: J7.3@1.934,15.134 2.031,15.037 R57.1@4.235,15.037 4.235,16.266 R54.1@4.22,16.281
NetJ8_2: J8.2 R60.2 | length 3.2
  Top Layer w0.254: J8.2@49.371,2.207 49.934,2.207 51.121,3.394 R60.2@51.121,4.369
NetQ7_1: Q7.1 R43.1 R48.2 | length 2.6
  Top Layer w0.254: Q7.1@58.769,14.617 60.208,14.617 R43.1@60.211,14.614
  Top Layer w0.381: R43.1@60.211,14.614 60.211,13.525 R48.2@60.245,13.491
NetQ8_1: Q8.1 R49.1 | length 6.1
  Top Layer w0.254: R49.1@55.143,6.772 55.143,11.506 55.469,11.831 Q8.1@56.395,11.831
NetQ8_3: Q8.3 R48.1 | length 2.5
  Top Layer w0.254: Q8.3@58.795,10.881 59.776,10.881 60.212,11.317 R48.1@60.212,12.178
NetR4_1: R4.1 R7.1 R9.2 U1.29 | length 6.4
  Top Layer w0.203: R7.1@28.718,19.71 R9.2@28.718,18.514 28.771,18.567 29.007,18.567 v2(29.667,19.228) 31.273,19.228 31.344,19.157 U1.29@31.964,19.157
  Bottom Layer w0.203: R4.1@28.769,20.447 29.693,19.523 v2@29.693,19.177
NetR5_2: R5.2 R6.2 R13.2 U1.30 | length 6.7
  Top Layer w0.203: R13.2@28.718,17.323 30.166,18.771 31.331,18.771 31.445,18.657 U1.30@31.964,18.657
  Bottom Layer w0.203: R6.2@28.692,19.24 28.769,19.163 R5.2@28.769,18.037 29.441,18.037 v2(30.074,18.669)
NetR8_2: R8.2 R10.2 R17.2 U1.31 | length 6.1
  Top Layer w0.203: v2(31.013,18.237) 31.094,18.157 U1.31@31.964,18.157
  Bottom Layer w0.203: R8.2@28.845,16.713 R8.2@28.87,16.739 30.267,18.136 30.912,18.136 v2(31.013,18.237)
  Bottom Layer w0.254: R10.2@28.845,14.351 R17.2@28.845,15.56 R8.2@28.845,16.713
NetR23_1: R23.1 U5.1 | length 8.5
  Top Layer w0.203: R23.1@8.773,13.767 7.945,13.767 7.481,14.231 7.481,18.505 8.804,19.827 U5.1@9.655,19.827
NetR32_2: R32.2 U1.47 | length 5
  Top Layer w0.203: U1.47@37.614,15.007 37.614,14.507 38.182,13.939 39.37,13.939 40,13.31 40.529,13.31 R32.2@41.275,12.563
NetR33_2: R33.2 U1.46 | length 4.4
  Top Layer w0.203: U1.46@37.114,15.007 37.114,14.276 37.832,13.558 38.985,13.558 R33.2@40.017,12.526
NetR35_1: R35.1 R39.2 | length 1.5
  Bottom Layer w0.203: R35.1@62.948,19.691 62.948,21.165 R39.2@62.967,21.184
NetR36_1: R36.1 R40.2 | length 1.5
  Bottom Layer w0.254: R40.2@67.555,43.59 R36.1@67.555,45.082
NetR37_1: R37.1 R41.2 | length 1.5
  Bottom Layer w0.254: R41.2@50.532,44.713 50.544,44.725 R37.1@50.544,46.246
NetR38_1: R38.1 R42.2 | length 1.5
  Bottom Layer w0.254: R38.1@32.806,46.116 32.806,44.688 R42.2@32.828,44.665
NetR62_2: R62.2 U4.2 | length 58.9
  Top Layer w0.203: R62.2@8.798,16.154 8.179,16.154 7.95,16.383 7.95,18.12 8.677,18.847 10.061,18.847 10.668,19.454 10.668,21.37 11.693,22.395 15.197,22.395 v2(16.256,21.336) ; v2(50.597,22.641) 50.708,22.641 54.4,26.333 56.009,26.333 v2(56.058,26.284)
  Bottom Layer w0.203: v2(16.256,21.336) 16.383,21.209 25.084,21.209 25.613,21.739 33.847,21.739 33.856,21.748 36.496,21.748 36.506,21.739 38.635,21.739 39.69,22.794 46.009,22.794 47.064,21.739 49.694,21.739 v2(50.597,22.641) ; v2(56.058,26.284) 56.221,26.284 U4.2@57.302,27.366
POWER_ON: J8.4 R49.2 U3.4 | length 39.5
  Top Layer w0.254: U3.4@23.669,6.999 23.669,6.241 24.12,5.791 25.147,5.791 25.908,5.03 25.908,2.794 27.94,0.762 53.16,0.762 J8.4@54.451,2.053 54.451,4.88 R49.2@55.143,5.572
RST: C36.1 R52.2 S1.2 U2.5 | length 14.3
  Top Layer w0.203: R52.2@8.093,4.039 8.626,3.505 10.729,3.505 S1.2@11.712,2.523 ; S1.2@11.712,2.523 13.115,2.523 14.934,4.342 14.934,6.768 C36.1@15.604,7.438 15.604,8.179 16.2,8.775 U2.5@16.2,9.935
SCLK: R17.1 U2.14 | length 9.8
  Top Layer w0.203: U2.14@21.175,11.91 22.298,11.91 22.631,12.243 25.146,12.243 v2(25.375,12.014)
  Bottom Layer w0.203: v2(25.375,12.014) 26.314,12.014 26.772,12.471 26.772,15.316 27.016,15.56 R17.1@27.645,15.56
SCS: U1.32 U2.15 | length 16
  Top Layer w0.203: U2.15@21.175,12.41 22.142,12.41 22.458,12.725 26.06,12.725 v2(25.997,12.662) ; v2(26.01,16.84) 26.178,16.672 29.189,16.672 29.897,17.379 29.897,17.468 30.209,17.78 30.651,17.78 30.774,17.657 U1.32@31.964,17.657
  Bottom Layer w0.203: v2(26.01,16.84) 26.01,12.675 v2(25.997,12.662) 25.997,12.586 v2@26.035,12.548
SDI: R13.1 U2.12 | length 14.1
  Top Layer w0.203: U2.12@19.7,9.935 20.653,9.935 21.357,10.638 23.643,10.638 24.42,11.415 v2(24.42,11.516) ; v2(24.968,16.952) 25.441,17.424 27.416,17.424 R13.1@27.518,17.323
  Bottom Layer w0.203: v2(24.42,11.516) 24.409,11.527 24.409,11.963 25.248,12.802 25.248,16.672 v2(24.968,16.952)
SDO: R9.1 U2.13 | length 13.1
  Top Layer w0.203: U2.13@21.175,11.41 23.652,11.41 v2(23.698,11.455) ; v2(23.978,17.145) 24.232,17.145 25.959,18.872 27.026,18.872 27.295,18.602 R9.1@27.518,18.602
  Bottom Layer w0.203: v2(23.698,11.455) 23.698,11.811 24.47,12.583 24.47,16.152 23.978,16.645 v2(23.978,17.145)
SHA: C13.2 C16.1 C20.2 Q1.3 Q4.2 R36.2 U1.9 | length 45.9
  Top Layer w0.254: U1.9@38.764,19.657 39.62,19.657 40.068,20.105 41.681,20.105 44.864,23.288 48.413,23.288 v2(48.438,23.263) ; v2(48.927,25.603) 52.73,29.407 52.73,48.565 C20.2@53.798,49.632
  Bottom Layer w0.254: v2(48.438,23.263) 48.27,23.43 48.27,24.947 v2(48.927,25.603) ; v1(61.606,46.266) 61.628,46.288 65.112,46.288 65.117,46.282 R36.2@67.555,46.282
  other v1: 54.504,38.813 55.864,38.813 57.224,38.813 58.584,38.813 59.944,38.813 61.304,38.813 54.504,40.163 55.864,40.163 57.224,40.163 58.584,40.163 59.944,40.163 61.304,40.163 54.504,41.513 55.864,41.513 57.224,41.513 58.584,41.513 59.944,41.513 61.304,41.513 54.504,42.863 55.864,42.863 57.224,42.863 58.584,42.863 59.944,42.863 61.304,42.863 54.504,44.213 55.864,44.213 57.224,44.213 58.584,44.213 59.944,44.213 61.304,44.213 54.748,46.089 54.774,47.562 61.632,47.841 54.748,48.806 61.556,49.264 61.683,50.737 57.529,52.054 58.889,52.054 61.708,52.059 57.529,53.404 58.889,53.404 61.708,53.409 57.529,54.754 58.889,54.754 61.708,54.759 57.529,56.104 58.889,56.104 61.708,56.109
  other v4: 58.508,48.146
SHB: C14.2 C17.1 C22.2 Q2.3 Q5.2 R37.2 U1.16 | length 38.6
  Top Layer w0.254: U1.16@36.614,21.807 36.614,25.415 35.961,26.068 35.961,37.496 35.738,37.719 35.738,49.049 36.422,49.734 C22.2@36.816,49.734 ; Q5.2@40.381,41.602 Q5.2@40.956,41.602
  Bottom Layer w0.254: v1@44.04,47.491 44.064,47.467 46.988,47.467 ; v1(44.182,47.491) 44.201,47.472 R37.2@50.265,47.472 ; R37.2@50.519,47.472 R37.2@50.544,47.446
  other v1: 37.293,39.105 38.653,39.105 40.013,39.105 41.373,39.105 42.733,39.105 44.093,39.105 37.293,40.455 38.653,40.455 40.013,40.455 41.373,40.455 42.733,40.455 44.093,40.455 37.293,41.805 38.653,41.805 40.013,41.805 41.373,41.805 42.733,41.805 44.093,41.805 37.293,43.155 38.653,43.155 40.013,43.155 41.373,43.155 42.733,43.155 44.093,43.155 37.293,44.505 38.653,44.505 40.013,44.505 41.373,44.505 42.733,44.505 44.093,44.505 37.221,46.014 44.182,46.141 37.221,47.364 44.182,48.841 37.184,48.857 44.182,50.191 40.257,52.067 41.617,52.067 44.588,52.108 44.588,53.353 40.257,53.417 41.617,53.417 44.588,54.699 40.257,54.767 41.617,54.767 40.257,56.117 41.617,56.117 44.588,56.122
  other v4: 41.159,48.425
SHC: C15.2 C18.1 C46.2 Q3.3 Q6.2 R38.2 U1.19 | length 49.2
  Top Layer w0.254: C46.2@19.387,49.81 C46.2@19.747,49.81 ; C46.2@19.554,50.054 18.66,49.348 18.66,29.52 20.178,28.002 20.791,28.002 22.352,26.441 v2(22.998,26.441) ; Q6.2@22.976,41.688 Q6.2@23.569,41.688 ; v2(27.148,26.492) 29.027,24.613 33.401,24.613 35.114,22.899 U1.19@35.114,21.807
  Bottom Layer w0.254: v2@23.216,26.492 v2(27.148,26.492) ; v4@25.372,48.533 26.325,47.58 ; v1(26.978,47.237) 27.057,47.316 R38.2@32.806,47.316
  other v1: 20.15,38.971 21.477,38.975 22.857,38.975 24.217,38.975 25.577,38.975 26.937,38.975 20.137,40.325 21.496,40.333 22.857,40.325 24.217,40.325 25.577,40.325 26.937,40.325 20.137,41.675 21.477,41.675 24.217,41.675 25.577,41.675 26.937,41.675 22.791,41.704 20.137,43.025 21.477,43.025 22.857,43.025 24.217,43.025 25.577,43.025 26.937,43.025 20.137,44.375 21.477,44.375 22.857,44.375 24.217,44.375 25.577,44.375 26.937,44.375 20.153,45.873 26.978,45.887 20.153,47.187 26.978,48.587 20.077,49.035 26.978,49.937 27.469,52.134 23.241,52.193 24.522,52.186 23.241,53.543 24.522,53.536 27.469,53.531 27.469,54.852 23.241,54.893 24.522,54.886 27.469,56.147 23.241,56.243 24.522,56.236
  other v4: 23.811,48.502
SLA: C10.2 C11.2 C12.2 C47.2 C48.2 C49.2 Q4.3 Q5.3 Q6.3 R14.1 R15.1 R16.1 R22.1 R24.2 R25.2 U1.11 U1.14 U1.21 | length 61.5
  Top Layer w0.203: v2(8.712,26.721) 8.509,26.518 8.509,26.133 8.946,25.695 R22.1@8.966,25.695 ; Q6.3@26.109,31.388 Q6.3@26.121,31.375
  Top Layer w0.254: C47.2@24.713,28.08 24.713,27.089 27.291,24.511 v2(27.494,24.511) ; v2@27.965,23.266 33.35,23.266 34.114,22.502 U1.21@34.114,21.807 ; U1.14@37.614,21.807 37.614,25.159 40.08,27.625 C49.2@40.08,28.283 ; U1.11@38.764,20.657 39.198,20.657 39.572,21.031 41.25,21.031 44.806,24.587 49.657,24.587 v2(50.902,25.832)
  Top Layer w0.305: v2(52.894,25.883) 53.229,25.883 54.408,27.061 55.785,27.061 C48.2@56.639,27.915
  Top Layer w0.508: C47.2@24.713,28.08 24.713,31.014 v1(25.03,31.331) ; C48.2@56.844,28.131 56.844,28.955 57.595,29.706 v1(59.117,29.706)
  Top Layer w0.762: C49.2@40.08,28.283 40.08,29.007 v1(40.982,29.909)
  Bottom Layer w0.203: v2(8.712,26.721) 8.941,26.949 11.252,26.949 11.947,27.644 11.947,32.292 12.09,32.435 13.233,32.435
  Bottom Layer w0.254: v2(27.494,24.511) 27.494,23.779 v2(27.965,23.307)
  Bottom Layer w0.381: v2(50.902,25.832) 52.843,25.832 v2(52.894,25.883)
  other v1: 66.864,29.655 65.112,29.693 61.581,29.706 63.359,29.706 31.025,29.794 23.633,29.807 27.494,29.807 29.272,29.807 32.473,29.807 48.373,29.896 42.379,29.909 44.842,29.909 46.62,29.909 49.708,29.921 15.951,30.277 66.864,31.179 65.112,31.217 57.72,31.23 59.117,31.23 61.581,31.23 63.359,31.23 31.025,31.318 23.633,31.331 27.494,31.331 29.272,31.331 32.473,31.331 50.38,31.382 48.373,31.42 40.982,31.433 42.379,31.433 44.842,31.433 46.62,31.433 15.951,31.801 66.864,32.703 65.112,32.741 57.72,32.754 59.117,32.754 61.581,32.754 63.359,32.754 31.025,32.842 23.633,32.855 25.03,32.855 27.494,32.855 29.272,32.855 32.473,32.855 50.38,32.906 48.373,32.944 40.982,32.957 42.379,32.957 44.842,32.957 46.62,32.957 15.951,33.519 66.864,34.227 65.112,34.265 57.72,34.278 59.117,34.278 60.336,34.278 61.581,34.278 63.359,34.278 31.025,34.366 23.633,34.379 25.03,34.379 26.249,34.379 27.494,34.379 29.272,34.379 32.473,34.379 50.38,34.43 48.373,34.468 40.982,34.481 42.379,34.481 43.597,34.481 44.842,34.481 46.62,34.481 15.951,35.052 66.864,35.751 65.112,35.789 57.72,35.814 59.117,35.802 60.336,35.802 61.581,35.802 63.359,35.802 31.025,35.89 23.633,35.916 25.03,35.903 26.249,35.903 27.494,35.903 29.272,35.903 32.473,35.903 50.38,35.954 48.373,35.992 40.982,36.017 42.379,36.005 43.597,36.005 44.842,36.005 46.62,36.005
SPEED_REF: C40.1 R60.1 R63.2 U2.3 | length 50.8
  Top Layer w0.203: v2(13.335,5.055) 13.834,5.055 14.126,5.347 14.126,6.894 C40.1@13.546,7.473 15.2,9.127 U2.3@15.2,9.935 ; v2(16.637,3.992) 16.637,1.727 17.628,0.737 25.73,0.737 26.213,1.219 v2(26.238,1.219) ; v2(28.448,1.651) 28.906,1.193 44.766,1.193 45.39,1.817 45.39,4.572 46.064,5.246 48.2,5.246 48.454,4.993 R63.2@48.454,4.343 49.895,4.343 R60.1@49.921,4.369
  Bottom Layer w0.203: v2(13.335,5.055) 14.398,3.992 v2(16.637,3.992) ; v2(26.238,1.219) 28.016,1.219 v2(28.448,1.651)
TEMP_SENSE: C44.1 R62.1 U2.42 | length 4.1
  Top Layer w0.203: R62.1@9.998,16.154 C44.1@9.998,14.986 10.897,14.986 11.473,14.41 U2.42@12.725,14.41
TEST: J4.3 U2.4 | length 16.9
  Top Layer w0.203: v2(9.474,4.394) 9.525,4.445 13.907,4.445 14.553,5.09 14.553,7.667 15.7,8.814 U2.4@15.7,9.935
  Bottom Layer w0.203: J4.3@4.339,1.93 6.756,4.348 9.474,4.348 v2(9.474,4.394)
UART_RX: J5.1 U2.24 | length 25.7
  Top Layer w0.203: J5.1@1.833,7.314 9.816,7.314 14.237,11.735 18.816,11.735 19.38,12.299 19.38,16.332 19.958,16.91 U2.24@21.175,16.91
UART_TX: J5.2 U2.23 | length 26.3
  Top Layer w0.203: J5.2@1.964,4.904 3.992,6.933 9.974,6.933 14.395,11.354 18.974,11.354 19.761,12.141 19.761,16.154 20.016,16.41 U2.23@21.175,16.41
VCC: C32.1 U1.44 | length 4.6
  Top Layer w0.254: U1.44@36.114,15.007 36.114,13.086 36.632,12.568 C32.1@38.609,12.568
VDC: C1.1 C2.1 C3.1 C4.1 C7.2 C10.1 C11.1 C12.1 D1.2 J3.1 Q1.2 Q2.2 Q3.2 Q7.2 R1.2 R2.2 R3.2 R43.2 U1.6 | length 148.8
  Top Layer w0.203: v2@34.061,26.289 v2(34.138,26.213) 34.632,26.707 v1(34.632,36.259)
  Top Layer w0.254: U1.6@38.764,18.157 42.517,18.157 42.912,18.551 v2(42.977,18.551)
  Top Layer w0.508: C7.2@41.9,18.796 42.172,18.796 44.223,20.847 56.963,20.847 59.334,18.476 59.334,17.082 Q7.2@58.799,16.547 ; Q7.2@58.769,16.517 Q7.2@58.799,16.547 ; R43.2@60.211,16.193 59.857,16.547 Q7.2@58.799,16.547
  Top Layer w0.762: 64.51,60.109 64.586,60.033
  Top Layer w1.016: R3.2@30.161,57.03 30.161,60.816 ; R2.2@47.679,57.051 47.679,60.738 v1(48.067,61.125) ; R1.2@64.586,56.543 64.586,60.033
  PWR w0.762: v2(34.138,26.213) 36.728,26.213 42.977,19.964 v2(42.977,18.551)
  PWR w1.524: C1.1@12.94,38.964 13.208,38.696 13.208,29.52 14.635,28.092 57.302,28.092 59.03,26.365 J3.1@59.03,19.628
  Bottom Layer w0.381: v1(34.632,36.259) v1@34.632,59.449
  other v1: 12.298,42.062 14.173,42.062 15.667,42.062 12.298,44.425 14.173,44.425 15.667,44.425 12.298,46.812 14.173,46.812 15.667,46.812 12.298,49.078 14.173,49.078 15.667,49.078 12.298,51.225 14.173,51.225 15.667,51.225 12.298,53.873 14.173,53.873 15.667,53.873 13.67,59.004 15.545,59.004 17.609,58.992 34.651,59.398 13.67,60.757 15.545,60.757 17.609,60.744 20.264,61.153 21.624,61.153 22.984,61.153 24.344,61.153 25.704,61.153 27.064,61.153 34.87,61.207 29.983,61.288 51.406,61.284 31.644,61.309 33.346,61.309 54.49,61.313 55.85,61.313 57.21,61.313 58.57,61.313 59.93,61.313 61.29,61.313 46.634,61.335 49.78,61.334 36.734,61.354 38.094,61.354 39.454,61.354 40.814,61.354 42.174,61.354 43.534,61.354 17.609,62.363 13.67,62.375 15.545,62.375 48.067,62.484 20.264,62.503 21.624,62.503 22.984,62.503 24.344,62.503 25.704,62.503 27.064,62.503 34.87,62.566 51.406,62.642 29.983,62.646 31.644,62.668 33.346,62.668 54.49,62.663 55.85,62.663 57.21,62.663 58.57,62.663 59.93,62.663 61.29,62.663 46.634,62.693 49.78,62.693 36.734,62.704 38.094,62.704 39.454,62.704 40.814,62.704 42.174,62.704 43.534,62.704 48.067,63.83 20.264,63.853 21.624,63.853 22.984,63.853 24.344,63.853 25.704,63.853 27.064,63.853 34.87,63.912 51.406,63.988 29.983,63.992 31.644,64.014 33.346,64.014 54.49,64.013 55.85,64.013 57.21,64.013 58.57,64.013 59.93,64.013 61.29,64.013 46.634,64.039 49.78,64.039 36.734,64.054 38.094,64.054 39.454,64.054 40.814,64.054 42.174,64.054 43.534,64.054 13.67,64.267 15.545,64.267 17.609,64.255 20.264,65.203 21.624,65.203 22.984,65.203 24.344,65.203 25.704,65.203 27.064,65.203 48.067,65.278 34.87,65.36 54.49,65.363 55.85,65.363 57.21,65.363 58.57,65.363 59.93,65.363 61.29,65.363 36.734,65.404 38.094,65.404 39.454,65.404 40.814,65.404 42.174,65.404 43.534,65.404 51.406,65.436 29.983,65.44 31.644,65.462 33.346,65.462 46.634,65.487 49.78,65.487 13.67,65.817 15.545,65.817 17.609,65.805 20.264,66.553 21.624,66.553 22.984,66.553 24.344,66.553 25.704,66.553 27.064,66.553 34.87,66.6 29.983,66.68 51.406,66.676 31.644,66.702 33.346,66.702 46.634,66.727 48.067,66.723 49.78,66.727 54.49,66.713 55.85,66.713 57.21,66.713 58.57,66.713 59.93,66.713 61.29,66.713 36.734,66.754 38.094,66.754 39.454,66.754 40.814,66.754 42.174,66.754 43.534,66.754
VGD: D3.2 J1.1 J3.2 Q7.3 R35.2 | length 25.5
  Top Layer w0.508: J1.1@51.526,12.815 54.548,12.815 56.369,14.636 Q7.3@56.369,15.567 56.369,18.898 J3.2@56.371,18.899 ; D3.2@51.872,7.442 53.188,7.442 54.047,8.301 54.047,12.67
  Bottom Layer w0.508: J3.2@56.515,18.999 56.515,17.704 57.353,16.866 61.322,16.866 R35.2@62.948,18.491